# Altium PCB MCISO-P01-V06-NewMicro.PcbDoc (part 1 of 2)
Units mm, origin at the board's own origin, x right, y up, seen from the top; angles counter-clockwise.
Board outline 60 x 112.78 mm, 2 copper layers (Top Layer, Bottom Layer), stack 1.57 mm thick; 124 components, 85 nets, 520 pads, 108 vias.
Unrouted connection lines stored in the file: 6.
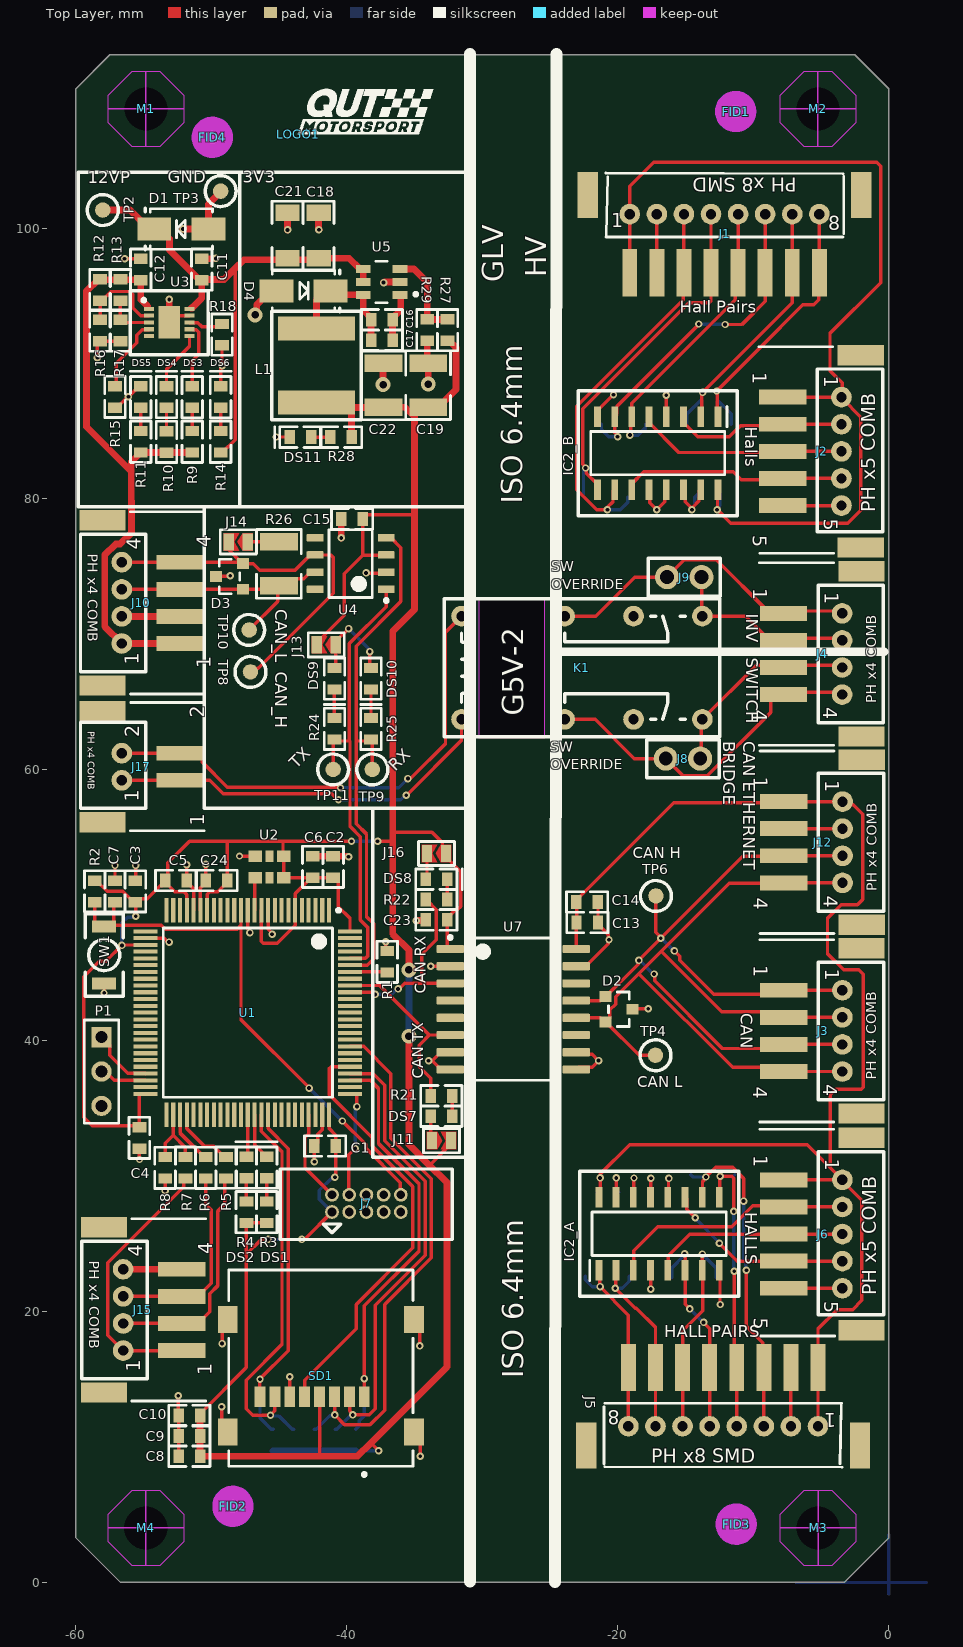
[diagram p0: Top Layer view]
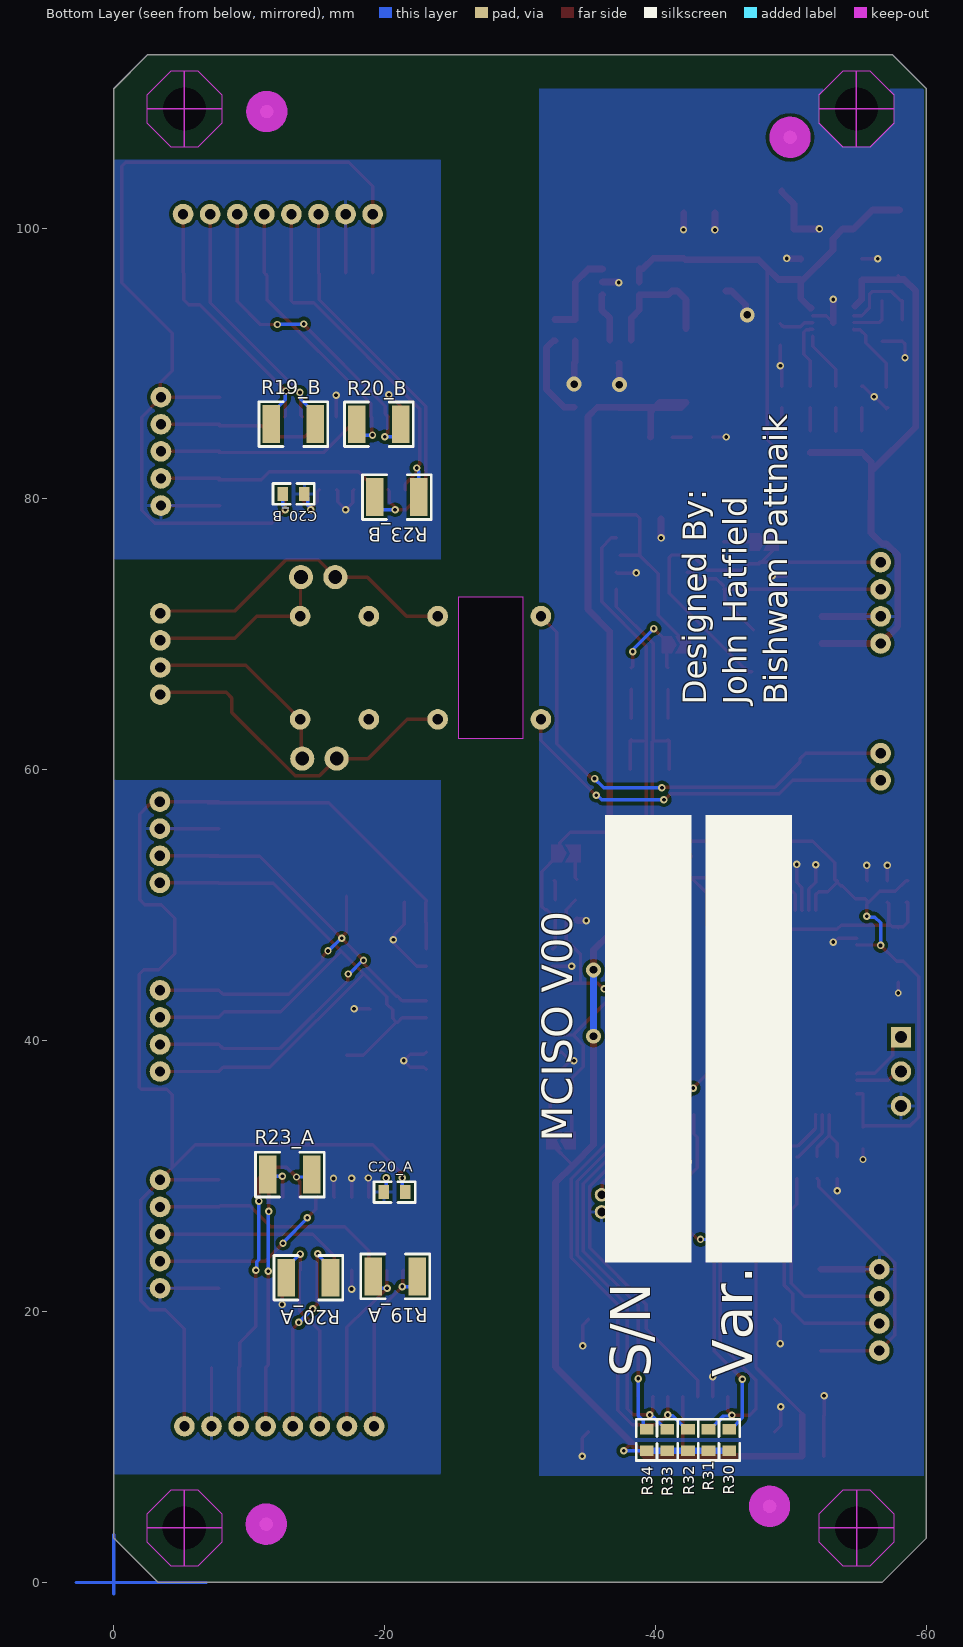
[diagram p1: Bottom Layer view, seen from below]
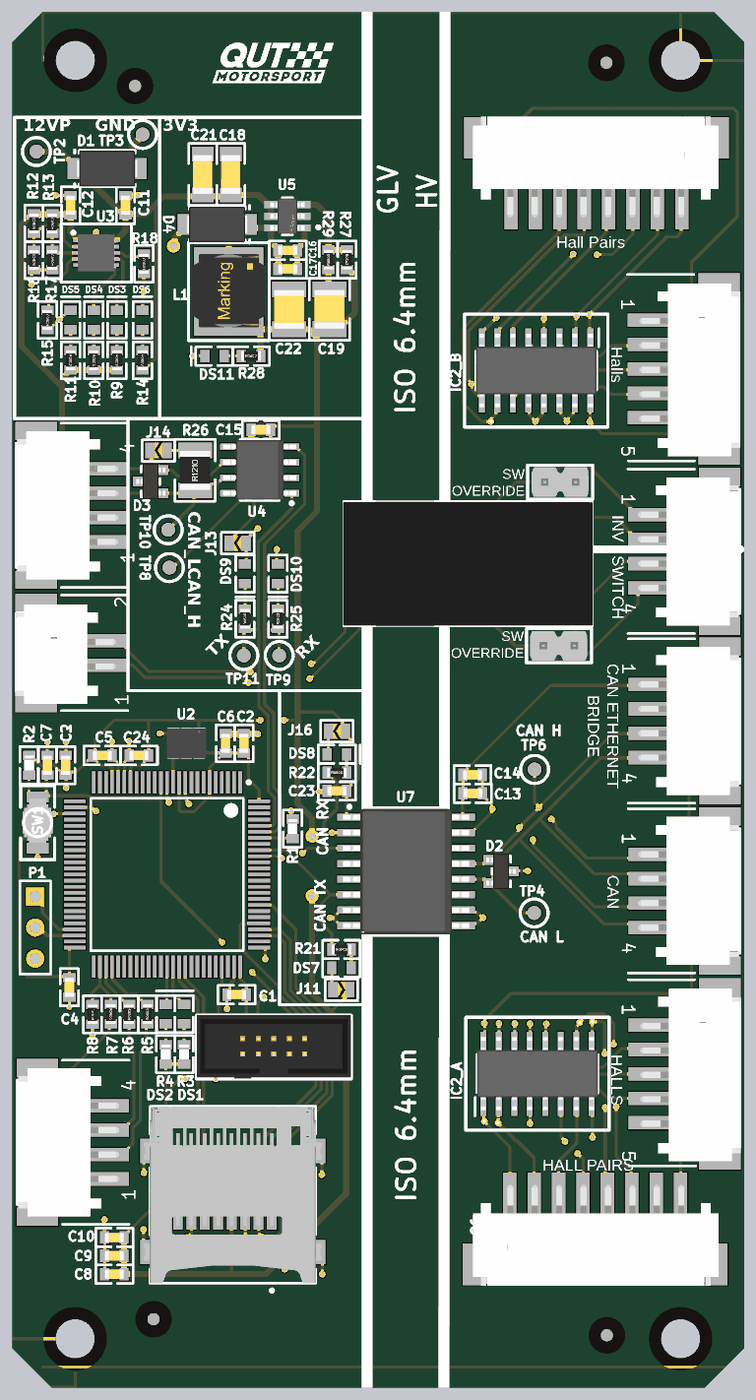
[diagram p3: 3D render of the assembled board from above, using the file's embedded part models]
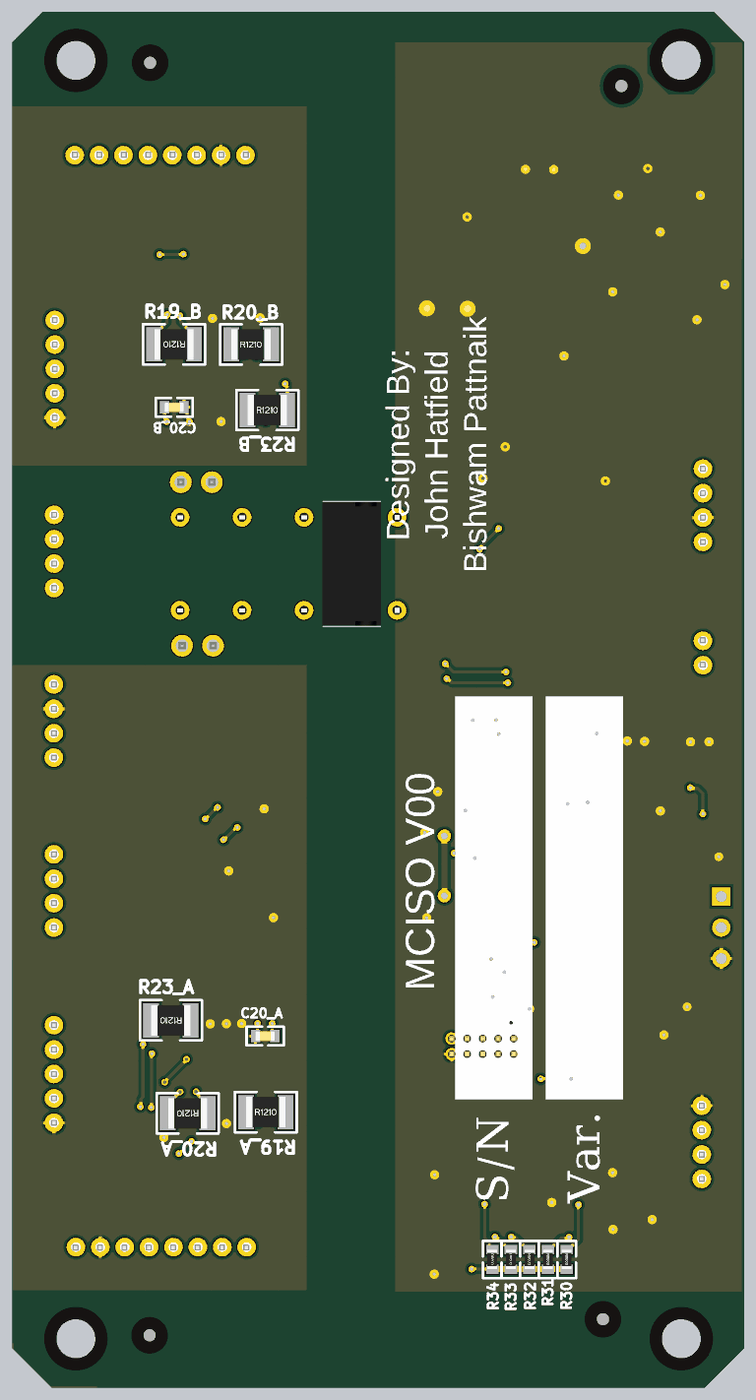
[diagram p4: 3D render of the assembled board from below, using the file's embedded part models]

## Layer stack, top to bottom
Top Solder: solder mask 0.0102, Solder Resist, Dk 3.5
Top Layer: signal copper 0.0356
Dielectric 1: core 1.4986, Core-043, Dk 4.3
Bottom Layer: signal copper 0.0356
Bottom Solder: solder mask 0.0102, Solder Resist, Dk 3.5

## Board outline
-59.993,3.287 -59.993,110.287 -57.493,112.787 -2.493,112.787 0.007,110.287 0.007,3.287 -3.276,0.004 -56.71,0.004
cut-out: -30.211,72.726 -25.411,72.726 -25.411,62.326 -30.211,62.326

## Design rules (kind name [scope] priority, off if disabled: settings)
Clearance [All] p1: gap=0.254 ignorepadtopadclearanceinfootprint=TRUE except(0: Arc-Hole Track-Hole SMDPad-Hole THPad-Hole Via-Hole Fill-Hole Poly-Hole Region-Hole Text-Hole; 0.152: SMDPad-SMDPad; 0.178: Arc-SMDPad Track-SMDPad; 0.2: Arc-Arc Arc-Track Track-Track)
MinimumSolderMaskSliver [All] p1: minsoldermaskwidth=0.1
PolygonConnect PolygonConnect_1 [All] p1: thpad.connectstyle=Relief thpad.reliefconductorwidth=0.254 thpad.reliefentries=4 thpad.polygonreliefangle="90 Angle" thpad.airgapwidth=0.254 smdpad.connectstyle=Relief smdpad.reliefconductorwidth=0.254 smdpad.reliefentries=4 smdpad.polygonreliefangle="90 Angle" smdpad.airgapwidth=0.254 via.connectstyle=Direct via.reliefconductorwidth=0.254 via.reliefentries=4 via.polygonreliefangle="90 Angle" via.airgapwidth=0.254
RoomDefinition Designator [InComponentClass('Designator')] p1 off: confinementstyle=ConfineIn formatcopy=TRUE lockcomponents=FALSE outline -43.811,-14.874 -33.411,-14.874 -33.411,-7.074 -43.811,-7.074
RoomDefinition U_MCISO-S07-V00-Master-PSU3V3-300mA [InComponentClass('U_MCISO-S07-V00-Master-PSU3V3-300mA')] p2 off: confinementstyle=ConfineIn formatcopy=TRUE lockcomponents=FALSE outline -101.811,-42.574 -51.011,-42.574 -51.011,-17.174 -101.811,-17.174
RoomDefinition U_MCISO-S05-V00-CANIsolation [InComponentClass('U_MCISO-S05-V00-CANIsolation')] p3 off: confinementstyle=ConfineIn formatcopy=TRUE lockcomponents=FALSE outline -94.011,15.426 -83.411,15.426 -83.411,22.026 -94.011,22.026
RoomDefinition U_MCISO-S04-V00-Microcontroller [InComponentClass('U_MCISO-S04-V00-Microcontroller')] p4 off: confinementstyle=ConfineIn formatcopy=TRUE lockcomponents=FALSE outline -90.611,-12.974 -82.011,-12.974 -82.011,-7.674 -90.611,-7.674
RoomDefinition U_MCISO-S03-V00-CAN_MAIN [InComponentClass('U_MCISO-S03-V00-CAN_MAIN')] p5 off: confinementstyle=ConfineIn formatcopy=TRUE lockcomponents=FALSE outline -101.311,-13.874 -91.711,-13.874 -91.711,-8.074 -101.311,-8.074
RoomDefinition U_MCISO-S02-V00-12VProtection [InComponentClass('U_MCISO-S02-V00-12VProtection')] p6 off: confinementstyle=ConfineIn formatcopy=TRUE lockcomponents=FALSE outline -51.111,-34.574 -40.811,-34.574 -40.811,-18.274 -51.111,-18.274
RoomDefinition MCISO-S01-V00-Master [InComponentClass('MCISO-S01-V00-Master')] p7 off: confinementstyle=ConfineIn formatcopy=TRUE lockcomponents=FALSE outline -76.211,-4.974 -65.611,-4.974 -65.611,-0.374 -76.211,-0.374
RoomDefinition B [InComponentClass('B')] p8 off: confinementstyle=ConfineIn formatcopy=TRUE lockcomponents=FALSE outline -89.811,-6.074 -82.111,-6.074 -82.111,-0.274 -89.811,-0.274
RoomDefinition A [InComponentClass('A')] p9 off: confinementstyle=ConfineIn formatcopy=TRUE lockcomponents=FALSE outline -101.811,-6.074 -91.511,-6.074 -91.511,0.026 -101.811,0.026
RoutingVias [All] p1: holewidth=0.35 width=0.6 viastyle="Through Hole" minholewidth=0.35 minwidth=0.6 maxholewidth=0.35 maxwidth=0.6
SilkToSilkClearance [All] p1: silktosilkclearance=0
SilkToSolderMaskClearance [IsPad] p1: minsilkscreentomaskgap=0 clearancetoexposedcopper=TRUE
SolderMaskExpansion [All] p1: expansion=0.102 istentingtop=FALSE
Width [All] p1: maxlimit=0.5 minlimit=0.254 preferedwidth=0.254
27 further rules are at their usual default settings.

## Classes and differential pairs
component class Designator: C8 C9 C10 J15 R5 R6 R7 R8 R30 R31 R32 R33 R34 SD1
component class B: C20_B IC2_B R19_B R20_B R23_B
component class A: C20_A IC2_A R19_A R20_A R23_A
channel class MCISO-S06-V00-HALL_DIFFB: "DIFF A" "DIFF B"
component class U_MCISO-S07-V00-Master-PSU3V3-300mA: C16 C17 C18 C19 C21 C22 D4 DS11 L1 R27 R28 R29 "TP 13" U5
component class U_MCISO-S03-V00-CAN_MAIN: C15 D3 DS9 DS10 J13 J14 R24 R25 R26 TP8 TP9 TP10 TP11 U4
component class U_MCISO-S02-V00-12VProtection: C11 C12 D1 DS3 DS4 DS5 DS6 R9 R10 R11 R12 R13 R14 R15 R16 R17 R18 TP2 TP3 U3
component class U_MCISO-S05-V00-CANIsolation: C13 C14 C23 D2 DS7 DS8 J11 J12 J16 R21 R22 TP4 TP6 U7
component class U_MCISO-S04-V00-Microcontroller: C1 C2 C3 C4 C5 C6 C7 C24 DS1 DS2 J7 P1 R1 R2 R3 R4 SW1 U1 U2
component class MCISO-S01-V00-Master: Connector? FID1 FID2 FID3 FID4 J1 J2 J3 J4 J5 J6 J8 J9 J10 J17 K1 LOGO1 M1 M2 M3 M4 NCM?

## Components (designator, comment, footprint, x,y, rotation, side; value= is the part's Value field where it differs from the comment)
C1 "100nF" Cap_Ceramic_0603 -41.604,32.226 r0 top
C2 "100nF" Cap_Ceramic_0603 -41.011,52.826 r270 top
C3 "100nF" Cap_Ceramic_0603 -55.611,51.026 r270 top
C4 "100nF" Cap_Ceramic_0603 -55.311,32.826 r90 top
C5 "4u7" Cap_Ceramic_0603 -52.604,51.826 r180 top
C6 "100nF 100V" Cap_Ceramic_0603 -42.511,52.826 r90 top
C7 "100nF 100V" Cap_Ceramic_0603 -57.111,51.026 r270 top
C8 "4u7" Cap_Ceramic_0603 -51.624,9.326 r0 top
C9 "1uF" Cap_Ceramic_0603 -51.624,10.826 r0 top
C10 "100nF" Cap_Ceramic_0603 -51.624,12.326 r0 top
C11 "4u7 50V 5%" Cap_Ceramic_0603 -50.711,96.926 r270 top
C12 "470nF 50V 5%" Cap_Ceramic_0603 -55.211,96.926 r270 top
C13 "100nF 50V 5% X7R 0603" Cap_Ceramic_0603 -22.245,48.725 r180 top
C14 "4u7" Cap_Ceramic_0603 -22.262,50.242 r180 top
C15 "100nF 100V" Cap_Ceramic_0603 -39.611,78.526 r180 top
C16 "100nF 50V" Cap_Ceramic_0603 -37.412,93.222 r180 top
C17 "100nF 50V" Cap_Ceramic_0603 -37.412,91.711 r180 top
C18 "22uF 35V" Cap_Ceramic_1206 -42.079,99.444 r90 top
C19 "47uF 16V 1210" Cap_Ceramic_1210 -33.988,88.399 r270 top
C20_A "0.1u" Cap_Ceramic_0603 -20.725,28.826 r180 bottom (schematic designator C20)
C20_B "0.1u" Cap_Ceramic_0603 -13.272,80.368 r0 bottom (schematic designator C20)
C21 "22uF 35V" Cap_Ceramic_1206 -44.379,99.444 r90 top
C22 "47uF 16V 1210" Cap_Ceramic_1210 -37.303,88.384 r270 top
C23 "100nF 50V 5% X7R 0603" Cap_Ceramic_0603 -33.38,48.923 r0 top
C24 "100nF" Cap_Ceramic_0603 -49.611,51.826 r0 top
D1 "1N4448WQ-7-F" SMA -52.211,99.926 r180 top
D2 "NUP2105L" NUP2105L -19.911,42.326 r270 top
D3 "NUP2105L" NUP2105L -48.661,74.276 r90 top
D4 "B260A-13-F" SMA -43.199,95.358 r0 top
DS1 "LED Orange" "LED ORANGE 0603" -45.911,30.633 r90 top
DS2 "LED Orange" "LED ORANGE 0603" -47.411,30.633 r90 top
DS3 "LED Red 0603" "LED RED 0603" -51.411,87.513 r90 top
DS4 "LED Red 0603" "LED RED 0603" -53.311,87.52 r90 top
DS5 "LED Green 0603" "LED GREEN 0603" -55.211,87.52 r90 top
DS6 "LED Green 0603" "LED GREEN 0603" -49.311,87.52 r90 top
DS7 "LED Blue 0603" "LED BLUE 0603" -33.011,34.426 r0 top
DS8 "LED Blue 0603" "LED BLUE 0603" -33.38,51.923 r0 top
DS9 "LED Blue 0603" "LED BLUE 0603" -40.911,66.726 r270 top
DS10 "LED Blue 0603" "LED BLUE 0603" -38.211,66.726 r270 top
DS11 "LED Green 0603" "LED GREEN 0603" -43.418,84.562 r180 top
FID1 "Fiducial 1MM" "FIDUCIAL 1MM" -11.294,108.599 r90 top
FID2 "Fiducial 1MM" "FIDUCIAL 1MM" -48.411,5.626 r90 top
FID3 "Fiducial 1MM" "FIDUCIAL 1MM" -11.253,4.308 r0 top
FID4 "Fiducial 1MM" "FIDUCIAL 1MM" -49.927,106.696 r90 top
IC2_A "AM26LS32ACDR" 16PinHallFootprint -16.915,25.749 r90 top (schematic designator IC2)
IC2_B "AM26LS32ACDR" 16PinHallFootprint -17.075,83.373 r270 top (schematic designator IC2)
J1 "JST PH 8x Right comb" "JST PH 8x RIGHT SMD" -14.111,103.936 r0 top
J2 "JST PH 5x RIGHT COMB" "JST PH 5x RIGHT COMB" -0.557,84.511 r270 top
J3 "JST PH 4x RIGHT COMB" "JST PH 4x RIGHT COMB" -0.49,40.726 r270 top
J4 "JST PH 4x RIGHT COMB" "JST PH 4x RIGHT COMB" -0.508,68.554 r270 top
J5 "JST PH 8x Right comb" "JST PH 8x RIGHT SMD" -10.211,8.626 r180 top
J6 "JST PH 5x RIGHT COMB" "JST PH 5x RIGHT COMB" -0.49,26.726 r270 top
J7 "IDC 10P 2x5 1.27mm" "IDC 1.27MM 10P" -38.551,27.991 r0 top
J8 "Jumper 2Way Pins" Jumper_2Way_Pin -13.911,60.826 r0 top
J9 "Jumper 2Way Pins" Jumper_2Way_Pin -16.351,74.226 r180 top
J10 "JST PH 4x RIGHT COMB" "JST PH 4x RIGHT COMB" -59.532,72.326 r90 top
J11 "Jumper 2Way Solderable" Jumper_2Way_Solderable -33.708,32.626 r270 top
J12 "JST PH 4x RIGHT COMB" "JST PH 4x RIGHT COMB" -0.48,54.653 r270 top
J13 "Jumper 2Way Solderable" Jumper_2Way_Solderable -40.814,69.226 r90 top
J14 "Jumper 2Way Solderable" Jumper_2Way_Solderable -47.311,76.826 r90 top
J15 "JST PH 4x RIGHT COMB" "JST PH 4x RIGHT COMB" -59.432,20.126 r90 top
J16 "Jumper 2Way Solderable" Jumper_2Way_Solderable -32.68,53.823 r90 top
J17 "JST PH 2x RIGHT COMB" "JST PH 2x RIGHT COMB" -59.532,62.226 r90 top
K1 "G5V-2-DC12" G5V-2 -22.641,67.536 r0 top
L1 "74404064221" Inductor_6x6mm -42.244,89.91 r270 top
LOGO1 "50mm Wide QUTMS Logo" "QUTMS LOGO 10MM" -43.589,106.929 r0 top
M1 "Hole M3 Tight Unplated" "M3.2 UNPLATED" -54.824,108.791 r0 top
M2 "Hole M3 Tight Unplated" "M3.2 UNPLATED" -5.216,108.791 r0 top
M3 "Hole M3 Tight Unplated" "M3.2 UNPLATED" -5.209,4.027 r0 top
M4 "Hole M3 Tight Unplated" "M3.2 UNPLATED" -54.834,4.027 r0 top
P1 "Header 3" HDR1X3 -58.111,40.266 r270 top
R1 "10k 1% 0603" Res_ThinFilm_0603 -37.011,45.826 r90 top
R2 "4k7" Res_ThinFilm_0603 -58.611,51.026 r90 top
R3 "330R" Res_ThinFilm_0603 -45.911,27.338 r270 top
R4 "330R" Res_ThinFilm_0603 -47.411,27.338 r270 top
R5 "22R" Res_ThinFilm_0603 -48.911,30.626 r90 top
R6 "22R" Res_ThinFilm_0603 -50.411,30.62 r90 top
R7 "10k 5% 0603" Res_ThinFilm_0603 -51.911,30.626 r270 top
R8 "15k 5% 0603" Res_ThinFilm_0603 -53.411,30.62 r90 top
R9 "4k7 5% 0603" Res_ThinFilm_0603 -51.411,84.22 r270 top
R10 "4k7 5% 0603" Res_ThinFilm_0603 -53.311,84.213 r270 top
R11 "4k7 5% 0603" Res_ThinFilm_0603 -55.211,84.22 r270 top
R12 "2M2 1%" Res_ThinFilm_0603 -58.211,95.42 r90 top
R13 "2M2 1%" Res_ThinFilm_0603 -56.711,95.42 r90 top
R14 "4k7 5% 0603" Res_ThinFilm_0603 -49.311,84.22 r270 top
R15 "150k 5% 0603" Res_ThinFilm_0603 -57.111,87.526 r90 top
R16 "390k 5%" Res_ThinFilm_0603 -58.211,92.433 r90 top
R17 "240k 5%" Res_ThinFilm_0603 -56.711,92.433 r90 top
R18 "1k 5% 0603" Res_ThinFilm_0603 -49.211,92.126 r90 top
R19_A "120R 1% 1210" Res_ThinFilm_1210 -20.776,22.599 r180 bottom (schematic designator R19)
R19_B "120R 1% 1210" Res_ThinFilm_1210 -13.256,85.522 r0 bottom (schematic designator R19)
R20_A "120R 1% 1210" Res_ThinFilm_1210 -14.367,22.499 r0 bottom (schematic designator R20)
R20_B "120R 1% 1210" Res_ThinFilm_1210 -19.571,85.513 r180 bottom (schematic designator R20)
R21 "330R" Res_ThinFilm_0603 -33.011,35.926 r0 top
R22 "330R" Res_ThinFilm_0603 -33.38,50.423 r0 top
R23_A "120R 1% 1210" Res_ThinFilm_1210 -12.991,30.119 r0 bottom (schematic designator R23)
R23_B "120R 1% 1210" Res_ThinFilm_1210 -20.898,80.136 r180 bottom (schematic designator R23)
R24 "330R" Res_ThinFilm_0603 -40.911,63.026 r90 top
R25 "330R" Res_ThinFilm_0603 -38.211,63.026 r90 top
R26 "120R 1% 1210" Res_ThinFilm_1210 -45.011,75.201 r90 top
R27 "64k9 1%" Res_ThinFilm_0603 -32.566,92.462 r270 top
R28 "1k" Res_ThinFilm_0603 -40.418,84.562 r0 top
R29 "19k6 1%" Res_ThinFilm_0603 -34.066,92.462 r90 top
R30 "10k 5% 0603" Res_ThinFilm_0603 -45.441,10.524 r270 bottom
R31 "10k 5% 0603" Res_ThinFilm_0603 -43.906,10.524 r270 bottom
R32 "10k 5% 0603" Res_ThinFilm_0603 -42.388,10.524 r270 bottom
R33 "10k 5% 0603" Res_ThinFilm_0603 -40.862,10.524 r270 bottom
R34 "10k 5% 0603" Res_ThinFilm_0603 -39.337,10.524 r270 bottom
SD1 "47219-2001" MOLX-47219-2001-8_V -41.916,15.276 r180 top
SW1 "B3U-1000P" "BTN B3U-1000P" -57.911,46.326 r90 top
TP2 "TestPoint" TestPointSMD -58.011,101.326 r90 top
TP3 "TestPoint" TestPointSMD -49.311,102.726 r0 top
TP4 "TestPoint_SMD" TestPointSMD -17.211,38.926 r270 top
TP6 "TestPoint_SMD" TestPointSMD -17.175,50.686 r0 top
TP8 "TestPoint_SMD" TestPointSMD -47.111,67.226 r180 top
TP9 "TestPoint_SMD" TestPointSMD -38.111,60.026 r0 top
TP10 "TestPoint_SMD" TestPointSMD -47.211,70.326 r180 top
TP11 "TestPoint_SMD" TestPointSMD -41.011,60.026 r90 top
U1 "STM32F207VGT7" STM-LQFP100_N -47.311,42.076 r270 top
U2 "DSC1101CI5-020.0000T" VDFN6_3P2X2P5_MCH -45.711,52.826 r270 top
U3 "MAX17612A" MAX17612A -53.111,93.026 r0 top
U4 "SN65HVD232D" D0008A_L -39.711,75.226 r180 top
U5 "LMR14010ADDCR" FP-DDC0006A-MFG -37.435,96.017 r180 top
U7 "ISO1050DWR" DW00016B_V -27.711,42.326 r0 top

## Footprints (in the part's own frame and the unit in brackets; to place one, negate y for a bottom-side part, rotate by r counter-clockwise, add the part's x,y. Pads: shape width x height; smd on the part's side, far side on the other; paste and mask are expansions set on the pad)
16PinHallFootprint [mm]
  rect 1.5x0.5 smd: 1(-2.7,4.47) 2(-2.7,3.2) 3(-2.7,1.93) 4(-2.7,0.66) 5(-2.7,-0.61) 6(-2.7,-1.88) 7(-2.7,-3.15) 8(-2.7,-4.42) 9(2.7,-4.42) 10(2.7,-3.15) 11(2.7,-1.88) 12(2.7,-0.61) 13(2.7,0.66) 14(2.7,1.93) 15(2.7,3.2) 16(2.7,4.47)
  silkscreen extent -4.62,-5.85 4.62,5.9, body extent -3,-4.92 3,4.98, height 1.75
"BTN B3U-1000P" [mil] "OMRON B3U-1000P"
  rect 35x70 smd: 1(-82.68,0) 2(82.68,0)
  silkscreen extent -120,-55 120,55, body extent -79,-49 79,49
Cap_Ceramic_0603 [mil]
  rect 30x40 smd: 1(-31.24,0) 2(31.24,0)
  silkscreen extent -60,-30 60,30, body extent -31,-16 31,16, height 33
Cap_Ceramic_1206 [mil]
  rect 47x71 smd: 1(-66.08,0) 2(66.08,0)
  silkscreen extent -100,-45 100,45, body extent -63,-31 63,32, height 53
Cap_Ceramic_1210 [mm]
  rect 1.3x2.8 smd: 1(-1.625,0) 2(1.625,0)
  silkscreen extent -2.54,-1.65 2.54,1.65, body extent -1.6,-1.25 1.6,1.25, height 1.35
D0008A_L [mm] "SOIC, 8-Leads, Body 5x4mm, Pitch 1.27mm, IPC High Density"
  rrect18% 1.25x0.55 smd: 1(-2.625,1.905) 2(-2.625,0.635) 3(-2.625,-0.635) 4(-2.625,-1.905) 5(2.625,-1.905) 6(2.625,-0.635) 7(2.625,0.635) 8(2.625,1.905)
  silkscreen extent -2.75,-2.5 1.6,2.85, body extent -3,-2.45 3,2.45, height 1.63
DW00016B_V [mm] "SOIC, 16-Leads, Body 10.3x7.5mm, Pitch 1.27mm"
  rrect17% 2x0.6 smd: 1(-4.65,4.445) 2(-4.65,3.175) 3(-4.65,1.905) 4(-4.65,0.635) 5(-4.65,-0.635) 6(-4.65,-1.905) 7(-4.65,-3.175) 8(-4.65,-4.445) 9(4.65,-4.445) 10(4.65,-3.175) 11(4.65,-1.905) 12(4.65,-0.635) 13(4.65,0.635) 14(4.65,1.905) 15(4.65,3.175) 16(4.65,4.445)
  silkscreen extent -4.77,-5.25 3.25,5.42, body extent -5.17,-5.15 5.17,5.15, height 2.59
"FIDUCIAL 1MM" [mm]
  round 1 smd mask+1: 1(0,0)
  round 1 smd far side mask+1: 1(0,0)
  Keep-Out Layer circle w1.524: c0,0 r0.762
FP-DDC0006A-MFG [mm]
  rect 1.1x0.6 smd paste+0 mask+0: 1(-1.35,0.95) 2(-1.35,0) 3(-1.35,-0.95) 4(1.35,-0.95) 5(1.35,0) 6(1.35,0.95)
  silkscreen extent -2.65,-1.53 0.43,1.53, body extent -2,-1.63 2,1.63, height 0.25
G5V-2 [mil]
  round 60 hole 30: 1(-350,150) 4(-50,150) 6(150,150) 8(350,150) 9(350,-150) 11(150,-150) 13(-50,-150) 16(-350,-150)
  silkscreen extent -400,-200 400,200, body extent -404,-199 404,199, height 453
HDR1X3 [mm] "Connector; Header; 3 Position"
  rect 1.5x1.5 hole 0.9: 1(0,0)
  round 1.5 hole 0.9: 2(2.54,0) 3(5.08,0)
  silkscreen extent -1.27,-1.27 6.35,1.27
"IDC 1.27MM 10P" [mil]
  round 40 hole 25: 1(-100,-25) 2(-100,25) 3(-50,-25) 4(-50,25) 5(0,-25) 6(0,25) 7(50,-25) 8(50,25) 9(100,-25) 10(100,25)
  silkscreen extent -250,-105 250,100, body extent -249,-104 249,100, height 214
Inductor_6x6mm [mm]
  rect 1.8x5.7 smd: 1(-2.667,0) 2(2.794,0)
  silkscreen extent -3.94,-3.3 4.06,3.3, body extent -3,-3 3,3, height 4.56
"JST PH 2x RIGHT COMB" [mm]
  round 1.524 hole 0.762: 1(-3,-2.921) 2(-1,-2.921)
  rect 1.1x3.5 smd: 1(-3,-7.25) 2(-1,-7.25)
  rect 1.5x3.4 smd: M(-6.1,-1.5) M(2.1,-1.5)
  silkscreen extent -6.73,-9.04 2.75,0.13, body extent -6.17,-8.03 1.97,0.23, height 5.89
"JST PH 4x RIGHT COMB" [mm]
  round 1.524 hole 0.762: 1(-3,-2.921) 2(-1,-2.921) 3(1,-2.921) 4(3,-2.921)
  rect 1.1x3.5 smd: 1(-3,-7.25) 2(-1,-7.25) 3(1,-7.25) 4(3,-7.25)
  rect 1.5x3.4 smd: M(-6.1,-1.5) M(6.1,-1.5)
  silkscreen extent -6.73,-9.02 6.73,0.13, body extent -6.07,-8.2 6.07,0.06, height 5.89
"JST PH 5x RIGHT COMB" [mm]
  round 1.524 hole 0.762: 1(-3,-2.921) 2(-1,-2.921) 3(1,-2.921) 4(3,-2.921) 5(5,-2.921)
  rect 1.1x3.5 smd: 1(-3,-7.25) 2(-1,-7.25) 3(1,-7.25) 4(3,-7.25) 5(5,-7.25)
  rect 1.5x3.4 smd: M(-6.1,-1.5) M(8.1,-1.5)
  silkscreen extent -6.73,-9.02 8.53,0.13, body extent -6,-8.03 8.15,0.23, height 5.89
"JST PH 8x RIGHT SMD" [mm]
  rect 1.1x3.5 smd: 1(-5,-7.25) 2(-3,-7.25) 3(-1,-7.25) 4(1,-7.25) 5(3,-7.25) 6(5,-7.25) 7(7,-7.25) 8(9,-7.25)
  round 1.524 hole 0.762: 1(-5,-2.91) 2(-3,-2.91) 3(-1,-2.91) 4(1,-2.91) 5(3,-2.91) 6(5,-2.91) 7(7,-2.91) 8(9,-2.91)
  rect 1.5x3.4 smd: M(-8.1,-1.5) M(12.1,-1.5)
  silkscreen extent -6.78,-4.6 10.8,0.13, body extent -8.12,-8 12.03,0.25, height 5.89
Jumper_2Way_Pin [mil]
  round 70 hole 40: 1(-100,0) 2(0,0)
  silkscreen extent -155,-55 55,55, body extent -142,-48 42,47, height 332
Jumper_2Way_Solderable [mil]
  rect 50x30 smd: 1(0,55) 2(0,0)
  Top Layer region: -25,25 0,40 25,25 25,70 -25,70
  Top Layer region: -25,15 0,30 25,15 25,-15 0,-15 -25,-15
  silkscreen extent -35,-25 35,80
"LED BLUE 0603" [mil]
  rect 30x40 smd: 1(-31.24,0) 2(31.24,0)
  silkscreen extent -60,-30 75,30, body extent -40,-20 40,20, height 30
"LED GREEN 0603" [mil]
  rect 30x40 smd: 1(-31.24,0) 2(31.24,0)
  silkscreen extent -60,-30 75,30, body extent -40,-20 40,20, height 30
"LED ORANGE 0603" [mil]
  rect 30x40 smd: 1(-31.24,0) 2(31.24,0)
  silkscreen extent -60,-30 75,30, body extent -40,-20 40,20, height 30
"LED RED 0603" [mil]
  rect 30x40 smd: 1(-31.24,0) 2(31.24,0)
  silkscreen extent -60,-30 75,30, body extent -40,-20 40,20, height 30
"M3.2 UNPLATED" [mm]
  round 0 hole 3.2 unplated mask+2.6: 1(0,0)
  Keep-Out Layer pour cut-out: -2.794,0 -2.794,1.016 -1.016,2.794 0,2.794 0,0
  Keep-Out Layer pour cut-out: 0,2.794 1.016,2.794 2.794,1.016 2.794,0 0,0
  Keep-Out Layer pour cut-out: 2.794,0 2.794,-1.016 1.016,-2.794 0,-2.794 0,0
  Keep-Out Layer pour cut-out: 0,-2.794 -1.016,-2.794 -2.794,-1.016 -2.794,0 0,0
MAX17612A [mm]
  rect 0.75x0.3 smd: 1(-1.5,1) 2(-1.5,0.5) 3(-1.5,0) 4(-1.5,-0.5) 5(-1.5,-1) 6(1.5,-1) 7(1.5,-0.5) 8(1.5,0) 9(1.5,0.5) 10(1.5,1)
  rect 1.6x2.4 smd: 11(0,0)
  silkscreen extent -2.87,-2.4 2.87,2.35, body extent -1.55,-1.5 1.55,1.5, height 0.8
MOLX-47219-2001-8_V [mm] "CONN, 8-Leads, Body 14.5x13.6mm, Pitch 1.1mm"
  rect 0.8x1.5 smd: 1(-3.205,1.55) 2(-2.105,1.55) 3(-1.005,1.55) 4(0.095,1.55) 5(1.195,1.55) 6(2.295,1.55) 7(3.395,1.55) 8(4.495,1.55)
  rect 1.45x2 smd: 9(6.875,4.15) 10(6.875,-4.15) 11(-6.875,-4.15) 12(-6.875,4.15)
  silkscreen extent -6.8,-7.8 6.8,7.42, body extent -7.3,-7.79 7.3,6.71, height 1.91
NUP2105L [mm]
  rect 0.8x0.9 smd: 1(-0.95,-1) 2(0.95,-1) 3(0,1)
  silkscreen extent -1.27,-0.76 1.27,0.76, body extent -1.45,-1.22 1.45,1.18, height 1
"QUTMS LOGO 10MM" [mm]
  silkscreen extent 0,0 9.96,3.34
Res_ThinFilm_0603 [mil]
  rect 30x40 smd: 1(-31.24,0) 2(31.24,0)
  silkscreen extent -60,-30 60,30, body extent -31,-16 31,16
Res_ThinFilm_1210 [mm]
  rect 1.3x2.8 smd: 1(-1.625,0) 2(1.625,0)
  silkscreen extent -2.54,-1.65 2.54,1.65, body extent -1.6,-1.25 1.6,1.25, height 0.6
SMA [mm]
  rect 2.5x1.7 smd: A(-2,0) K(2,0)
  silkscreen extent -2.3,-1.52 2.67,1.52, body extent -2.52,-1.46 2.52,1.46, height 2.4
STM-LQFP100_N [mm] "Thin QFP, 100-Leads, Body 14x14mm, Pitch 0.5mm, IPC Medium Density"
  rect 1.8x0.3 smd: 1(-7.55,6) 2(-7.55,5.5) 3(-7.55,5) 4(-7.55,4.5) 5(-7.55,4) 6(-7.55,3.5) 7(-7.55,3) 8(-7.55,2.5) 9(-7.55,2) 10(-7.55,1.5) 11(-7.55,1) 12(-7.55,0.5) 13(-7.55,0) 14(-7.55,-0.5) 15(-7.55,-1) 16(-7.55,-1.5) 17(-7.55,-2) 18(-7.55,-2.5) 19(-7.55,-3) 20(-7.55,-3.5) 21(-7.55,-4) 22(-7.55,-4.5) 23(-7.55,-5) 24(-7.55,-5.5) 25(-7.55,-6) 51(7.55,-6) 52(7.55,-5.5) 53(7.55,-5) 54(7.55,-4.5) 55(7.55,-4) 56(7.55,-3.5) 57(7.55,-3) 58(7.55,-2.5) 59(7.55,-2) 60(7.55,-1.5) 61(7.55,-1) 62(7.55,-0.5) 63(7.55,0) 64(7.55,0.5) 65(7.55,1) 66(7.55,1.5) 67(7.55,2) 68(7.55,2.5) 69(7.55,3) 70(7.55,3.5) 71(7.55,4) 72(7.55,4.5) 73(7.55,5) 74(7.55,5.5) 75(7.55,6)
  rect 0.3x1.8 smd: 26(-6,-7.55) 27(-5.5,-7.55) 28(-5,-7.55) 29(-4.5,-7.55) 30(-4,-7.55) 31(-3.5,-7.55) 32(-3,-7.55) 33(-2.5,-7.55) 34(-2,-7.55) 35(-1.5,-7.55) 36(-1,-7.55) 37(-0.5,-7.55) 38(0,-7.55) 39(0.5,-7.55) 40(1,-7.55) 41(1.5,-7.55) 42(2,-7.55) 43(2.5,-7.55) 44(3,-7.55) 45(3.5,-7.55) 46(4,-7.55) 47(4.5,-7.55) 48(5,-7.55) 49(5.5,-7.55) 50(6,-7.55) 76(6,7.55) 77(5.5,7.55) 78(5,7.55) 79(4.5,7.55) 80(4,7.55) 81(3.5,7.55) 82(3,7.55) 83(2.5,7.55) 84(2,7.55) 85(1.5,7.55) 86(1,7.55) 87(0.5,7.55) 88(0,7.55) 89(-0.5,7.55) 90(-1,7.55) 91(-1.5,7.55) 92(-2,7.55) 93(-2.5,7.55) 94(-3,7.55) 95(-3.5,7.55) 96(-4,7.55) 97(-4.5,7.55) 98(-5,7.55) 99(-5.5,7.55) 100(-6,7.55)
  silkscreen extent -7.67,-6.25 6.25,6.83, body extent -7,-7 7,7, height 1.6
TestPointSMD [mil]
  round 45 smd: 1(0,0)
  silkscreen extent -45,-45 45,45
VDFN6_3P2X2P5_MCH [mm]
  rect 0.85x1 smd paste-0.425 mask+0: 1(-0.8,1.05) 3(-0.8,-1.05) 4(0.8,-1.05) 6(0.8,1.05)
  rect 0.85x0.6 smd paste+0 mask+0: 2(-0.8,0) 5(0.8,0)
  body extent -1.25,-1.6 1.25,1.6, height 0.65

## Part data
C1 C2 C3 C4 C10 C16 C17 C24: library part "100nF 50V 5% X7R 0603", "Capacitor, Ceramic, SMD, 100nF, 50V, 5%, X7R, 0603"
C5 C8 C11 C14 C20_A C20_B: library part "4u7 50V 5% X7R 0603", "Capacitor, Ceramic, SMD, 4u7, 50V, 5%, X7R, 0603"
C6 C7 C15: library part "100nF 100V 5% X7R 0603", "Capacitor, Ceramic, SMD, 100nF, 100V, 5%, X7R, 0603"
C9: library part "1uF 25V 5% X7R 0603", "Capacitor, Ceramic, SMD, 1uF, 25V, 5%, X7R, 0603"
C12: library part "470nF 50V 5% X7R 0603", "Capacitor, Ceramic, SMD, 470nF, 50V, 5%, X7R, 0603"
C13 C23: "Capacitor, Ceramic, SMD, 100nF, 50V, 5%, X7R, 0603"
C18 C21: library part "22uF 35V 20% X5R 1206", "22µF ±20% 35V Ceramic Capacitor X5R 1206 (3216 Metric)", ComponentLink1Description=Digikey, ComponentLink1URL=https://www.digikey.com.au/product-detail/en/tdk-corporation/C3216X5R1V226M160AC/445-8045-1-ND/2792165, ComponentLink2Description=Datasheet, ComponentLink2URL=https://product.tdk.com/info/en/catalog/datasheets/mlcc_commercial_general_en.pdf
C19 C22: library part "47uF 16V 10% X7R 1210", "Capacitor, Ceramic, SMD, 47uF, 16V, 5%, X7R, 1210"
D1: "Diode, SMD, 75V, 5%, 250mA, SOD123", Average Rectified Current=150mA, Forward Voltage=1V, Manufacturer="ON Semiconductor / Fairchild", Manufacturer Part Number=1N914BWS, Max Forward Surge Current (Ifsm)=4A, Max Operating Temperature=150°C, Max Repetitive Reverse Voltage (Vrrm)=75V, Max Reverse Leakage Current=5uA, Min Operating Temperature=-55°C, Package Quantity=1, Power Dissipation=200mW, Category="Rectifier Diodes", Contact Plating=Tin,Matte, Element Configuration=Single, Forward Current=150mA, Height=1mm, Lead Free="Lead Free", Length=1.8mm, Max Reverse Voltage (DC)=75V, Mount="Surface Mount", Number of Pins=2, Packaging="Tape and Reel", Peak Reverse Current=5uA, Radiation Hardening=No, REACH SVHC="No SVHC", Recovery Time=4ns, Reverse Recovery Time=4ns, Reverse Voltage=75V, Weight=0.0276g, Width=1.35mm
D4: "Diode, Schottky Barrier Rectifier, 60 V, 2 A, B260A-13-F"
DS1 DS2: library part "LED ORANGE 0603"
DS7 DS8 DS9 DS10: library part "LED BLUE 0603"
IC2_A IC2_B: "Integrated Circuit", Manufacturer_Name="Texas Instruments", Mouser Part Number=595-AM26LS32ACDR, Arrow Part Number=AM26LS32ACDR, Arrow Price/Stock=https://www.arrow.com/en/products/am26ls32acdr/texas-instruments, Datasheet Link=http://www.ti.com/lit/gpn/am26ls32ac, Height=1.75mm, Manufacturer_Part_Number=AM26LS32ACDR, Mouser Price/Stock=https://www.mouser.co.uk/ProductDetail/Texas-Instruments/AM26LS32ACDR/?qs=L4Mc90zKIpjEhSPPcfdoEw%3D%3D
J4: library part "JST PH 4x RIGHT COMB_1"
J8 J9: library part "Jumper 2Way Side Pins", "Jumper 2Way Side Pins"
J11 J13 J14 J16: library part "Jumper 2Way Side Solderable", "Jumper 2Way Side Solderable"
J12: "CAN Ethernet Bridge Port"
K1: "General Purpose Relay DPDT (2 Form C) Through Hole, 12V, 2A"
L1: "FIXED IND 220UH 660MA 850 MOHM", ComponentLink1Description=Digikey, ComponentLink1URL=https://www.digikey.com.au/product-detail/en/w%C3%BCrth-elektronik/74404064221/732-7261-1-ND/5353241, ComponentLink2Description="LCSC A", ComponentLink2URL=https://lcsc.com/product-detail/Power-Inductors_Sunlord-SWPA6045S221MT_C91047.html, ComponentLink3Description="LCSC B", ComponentLink3URL=https://lcsc.com/product-detail/Power-Inductors_SXN-Shun-Xiang-Nuo-Elec-SMNR6045-221MT_C467145.html
LOGO1: library part "QUTMS Logo 50mm"
M1 M2 M3 M4: "M3.2 Hole, No Plating"
P1: "Header, 3-Pin", LatestRevisionDate=17-Jul-2002, LatestRevisionNote="Re-released for DXP Platform.", Publisher="Altium Limited"
R1: library part "20k 1% 0603", "Resistor, SMD, 20k, 0.1W, 5%, 0603"
R2: library part "4k7 5% 0603", "Resistor, SMD, 4k7, 0.1W, 5%, 0603"
R3 R4 R21 R22 R24 R25: library part "330R 5% 0603", "Resistor, SMD, 330R, 0.1W, 5%, 0603"
R5 R6: library part "22R 1% 0603", "Resistor, SMD, 22R, 0.1W, 1%, 0603"
R7 R30 R31 R32 R33 R34: "Resistor, SMD, 10k, 0.1W, 5%, 0603"
R8: "Resistor, SMD, 15k, 0.1W, 5%, 0603"
R9 R10 R11 R14: "Resistor, SMD, 4k7, 0.1W, 5%, 0603"
R12 R13: library part "2M2 1% 0603", "Resistor, SMD, 2M2, 0.125W, 1%, 0603"
R15: library part "150k 5%, 0603", "Resistor, SMD, 150k, 0.1W, 5%, 0603"
R16: library part "390k 5% 0603", "Resistor, SMD, 390k, 0.1W, 5%, 0603"
R17: library part "240k 5% 0603", "Resistor, SMD, 240k, 0.1W, 5%, 0603"
R18: "Resistor, SMD, 1k, 0.1W, 5%, 0603"
R19_A R19_B R20_A R20_B R23_A R23_B R26: "Resistor, SMD, 120R, 0.25W, 1%, 1210"
R27: library part "64k9 1% 0603", "Resistor, SMD, 64k9, 0.1W, 5%, 0603"
R28: library part "1k 5% 0603", "Resistor, SMD, 1k, 0.1W, 5%, 0603"
R29: library part "19k6 1% 0603", "Resistor, SMD, 19k6, 0.1W, 5%, 0603"
SD1: library part CMP-2000-05245-1, "MicroSD Card Connector, Hinge Type, -40 to 85 degC, 8-Pin SMD, RoHS, Tape and Reel", Current Rating=500mA, Manufacturer=Molex, Voltage Rating=100VDC, Brand=Molex, Card Type=microSD, Contact Material=CopperAlloy, Datasheet URL=http://www.molex.com/pdm_docs/sd/472192001_sd.pdf, Datasheet Version="Rev. F, 06/2009", Factory Pack Quantity=2400, Housing Material=Thermoplastic, Insertion - Extraction Style=Hinged, Manufacturer URL=http://www.molex.com/, Mounting Style=SMD/SMT, Number of Contacts=8, Packaging=Reel, Pitch=1.09mm, Product=CardConnectors, Product Category=MemoryCardConnectors, RoHS=Details, Series=47219, Termination Style=SMD
SW1: library part "BTN B3U-1000P", "Omron B3U-1000P Ultra Miniture Switch", ComponentLink1Description=LCSC, ComponentLink1URL=https://lcsc.com/product-detail/Tactile-Switches_BRIGHT-TSA063G50-250_C294565.html
U1: library part STM32F207VGT7-Custom, "ARM Cortex-M3 32-bit MCU, 1024 KB Flash, 128 KB Internal RAM, 82 I/Os, 100-pin LQFP, -40 to 105 degC, Tray", I/Os (High Current)=82, Operating Frequency(F) (Processor speed) (MHz)=120, Supply Voltage(Vcc) min (V)=1.8, ComponentLink1Description="Manufacturer URL", ComponentLink1URL=http://www.st.com/web/en/home.html, ComponentLink2Description=Datasheet, ComponentLink2URL=http://www.st.com/st-web-ui/static/active/en/resource/technical/document/datasheet/CD00237391.pdf, ComponentLink3Description="Package Specification", ComponentLink3URL=http://www.st.com/st-web-ui/static/active/en/resource/technical/document/data_brief/DM00071938.pdf, Core="ARM Cortex-M3", D/A Converter="2x12-bit (2 Channel)", DatasheetVersion="Rev. 9", FLASH Size (Prog) (kB)=1024, Internal RAM Size (kB)=128, Mounting Technology="Surface Mount", PackageDescription="100-Pin Low Profile Quad Flat Package, 14 x 14 mm Body, 0.5 mm Pitch", PackageReference=LQFP100, PackageVersion="Rev. 1, 06/2013", Packing=Tray, PartNumber=STM32F207VGT7
U2: "No Description Available", Built_By=EMA_Jessica, Copyright="Copyright (C) 2018 Accelerated Designs. All rights reserved", Manufacturer_Part_Number=DSC1101CI5-020.0000T, RefDes=RefDes, SourceLibrary=Microchip_2019-08-23_23, Type=DEV, Vendor=Microchip
U3: "4.5V to 60V, 250mA Current-Limiter with OV, UV, and Reverse Protection", ComponentLink1Description=Datasheet, ComponentLink1URL=https://datasheets.maximintegrated.com/en/ds/MAX17612A-MAX17612C.pdf
U4: library part CMP-0315-00073-2, "3.3 V CAN Transceiver, 17 mA, -40 to 85 degC, 8-pin SOIC (D), Green (RoHS & no Sb/Br)", Drivers Per Package=1, Manufacturer="Texas Instruments", Rating=Catalog, Supply Voltage(s)(V)=3.3, Code_JEDEC=MS-012AA, ComponentLink1Description=Datasheet, ComponentLink1URL=http://www.ti.com/general/docs/lit/getliterature.tsp?genericPartNumber=SN65HVD232&fileType=pdf, DatasheetVersion=SLOS346K, Eco-Plan="Green (RoHS & no Sb/Br)", ICC(Max)(mA)=17, Isolated=No, Mounting Technology="Surface Mount", PackageDescription="8-Pin Plastic Small Outline Integrated Circuit, 4.9 x 3.9 mm, Pitch 1.27 mm Pitch", PackageReference=D0008A, PackageVersion="revM, Jun-2011", PartNumber=SN65HVD232D, Receivers Per Package=1, SubFamily=CAN, Transient Pulse Protection(V)="-25 to 25"
U5: library part CMP-04918-000056-1, "IC REG BUCK ADJ 1A TSOT23-6", Manufacturer="Texas Instruments", Max Junction Temp=+125°C, Max Supply Voltage=40V, Min Supply Voltage=4V, Output Current=1A, Package=DDC0006A, Switching Frequency=700kHz, Temperature="-40°C to +125°C", Temperature Range Low=-40°C, Automotive=No, Category=IC, ComponentLink2Description=Datasheet, ComponentLink2URL=https://www.ti.com/lit/ds/symlink/lmr14010a.pdf, Device Class L1="Integrated Circuits (ICs)", Device Class L2="Power Management ICs", Device Class L3="Voltage Regulators - Switching", Digikey Description="IC REG BUCK ADJ 1A TSOT23-6", Height=1.1mm, Ipc Land Pattern Name=SOT95P280X110-6, Lead Free=Yes, Manufacturer Part Number=LMR14010ADDCR, Max Duty Cycle=96%, Mouser Description="4-V to 40-V, 1-A Step-Down Converter With High Efficiency Eco-Mode 6-SOT-23-THIN -40 to 125", Number Of Outputs=1, Octopart=https://octopart.com/lmr14010addcr-texas+instruments-90753290, Output Type=AdjustableProgrammable, RoHS=TRUE, Standoff Height=0mm, Switching Topology=Buck, Temperature Range High=+125°C
U7: "Isolated CAN Transceiver, -55 to 105 degC, 16-pin SOIC (DW), Green (RoHS & no Sb/Br)", Drivers Per Package=1, Manufacturer="Texas Instruments", Rating=Catalog, Code_JEDEC=MS-013-AA, ComponentLink1Description=Datasheet, ComponentLink1URL=http://www.ti.com/general/docs/lit/getliterature.tsp?genericPartNumber=ISO1050&fileType=pdf, ComponentLink2Description="Package Specification", ComponentLink2URL=http://www.ti.com/litv/pdf/msoi003g, DatasheetVersion=SLLS983E, Eco-Plan="Green (RoHS & no Sb/Br)", Isolated=Yes, Mounting Technology="Surface Mount", PackageDescription="16-Pin Small Outline Integrated Circuit, 10.3 x 7.5 mm, Pitch 1.27 mm Pitch", PackageReference=DW00016B, PackageVersion="revG, Jan-2011", PartNumber=ISO1050DWR, SubFamily=CAN
D2 D3: ComponentLink1Description=Datasheet, ComponentLink1URL=https://www.onsemi.cn/PowerSolutions/document/NUP2105L-D.PDF, ComponentLink2Description=LCSC, ComponentLink2URL=https://lcsc.com/product-detail/TVS_ON-Semiconductor-NUP2105LT1G_C14486.html, ComponentLink3Description=Digikey, ComponentLink3URL=https://www.digikey.com.au/product-detail/en/on-semiconductor/SZNUP2105LT1G/SZNUP2105LT1GOSCT-ND/3487669

## Via types
v1: diameter 0.55, hole 0.279, Top Layer to Bottom Layer, 100 vias
v2: diameter 1.1, hole 0.56, Top Layer to Bottom Layer, 3 vias
v3: diameter 0.508, hole 0.279, Top Layer to Bottom Layer, 3 vias
v4: diameter 1.092, hole 0.559, Top Layer to Bottom Layer, 2 vias

## Nets (pads, with @x,y where several pads share a name; then routed paths per layer and width w, separated by ;. In a path a pad name is that pad's centre, name@x,y a point inside that pad or via, vN(x,y) a via of type N, cw(c..) or ccw(c..) an arc to the next point about the centre after c; other vN are vias at no path point)
3V3: C1.2 C2.2 C3.2 C4.2 C5.2 C6.1 C8.2 C9.2 C10.2 C15.1 C19.2 C22.2 C23.2 C24.2 J7.1 J11.1 J13.1 J16.2 L1.2 R2.2 R3.2 R4.2 R27.2 R28.2 R30.2 R31.2 R32.2 R33.2 R34.2 SD1.4 U1.6 U1.11 U1.19 U1.22 U1.28 U1.50 U1.75 U1.100 U2.1 U2.6 U4.3 U7.1 | length 275.5
  Top Layer w0.254: R2.2@-58.611,51.82 -58.484,51.82 -57.691,51.026 -56.531,51.026 C3.2@-55.738,50.233 ; C3.2@-55.611,50.233 C3.2@-55.738,50.233 ; v1(-55.579,49.187) -55.579,50.074 C3.2@-55.738,50.233 ; U1.50@-54.861,36.076 -55.29,36.076 -55.311,36.055 C4.2@-55.311,33.62 -55.418,33.726 -58.782,33.726 -59.411,34.355 -59.411,44.726 -58.284,45.853 -57.788,45.853 -56.573,47.067 -54.87,47.067 U1.28@-54.861,47.076 ; C5.2@-53.398,51.826 C5.2@-53.398,51.699 ; U1.22@-51.811,49.626 -51.82,49.635 -51.82,50.797 -52.028,51.005 -52.703,51.005 C5.2@-53.398,51.699 ; C10.2@-50.83,12.326 -50.83,12.453 -47.411,15.873 -47.411,24.226 ; U1.19@-50.311,49.626 -50.302,49.635 -50.302,50.815 -50.113,51.005 -49.512,51.005 -48.818,51.699 C24.2@-48.818,51.826 -48.818,54.726 ; U1.11@-46.311,49.626 -46.311,47.354 -46.162,47.205 -45.132,47.205 -43.811,48.526 U1.6@-43.811,49.626 -43.802,49.635 -43.802,50.869 C6.1@-42.638,52.033 ; R3.2@-45.911,26.544 R4.2@-47.411,26.544 -47.411,24.226 ; v1(-45.811,25.326) -46.311,25.326 -47.411,24.226 ; U2.6@-44.761,52.026 -44.754,52.033 C6.1@-42.638,52.033 ; U2.1@-44.761,53.626 -44.711,53.676 -44.711,54.726 ; U2.6@-44.661,52.026 U2.1@-44.661,53.626 ; v1(-43.311,25.326) -43.254,25.383 -43.064,25.383 J7.1@-41.091,27.356 ; J13.1@-42.211,69.226 -42.211,69.384 -40.178,71.417 -40.178,74.468 -38.811,75.835 ; -42.011,9.326 SD1.4@-42.011,13.726 ; U1.75@-41.311,34.526 -41.311,33.526 -40.811,33.026 C1.2@-40.811,32.226 v1@-40.811,29.935 ; U1.100@-39.761,48.076 -39.761,49.034 -40.63,49.903 -40.63,51.779 -40.884,52.033 C2.2@-41.011,52.033 C6.1@-42.511,52.033 C6.1@-42.638,52.033 ; v1(-39.654,54.726) -44.711,54.726 ; C15.1@-38.818,78.526 -38.818,78.572 -38.564,78.826 -35.011,78.826 ; C15.1@-38.811,78.572 -38.811,75.835 ; -38.259,10.278 -38.195,10.278 v1(-37.651,9.734) ; v1(-37.73,54.722) -37.726,54.726 -36.611,54.726 ; U4.3@-37.399,75.835 -38.811,75.835 ; -36.611,55.39 -33.707,55.39 -32.934,54.616 -32.934,54.077 J16.2@-32.68,53.823 -32.68,53.569 -31.594,52.484 -31.594,49.907 -31.838,49.663 -31.973,49.663 -32.586,49.05 C23.2@-32.586,48.923 -32.586,46.944 -32.413,46.771 U7.1@-32.361,46.771 ; -33.961,30.876 -33.807,30.876 -32.311,32.372 J11.1@-32.311,32.626 ; C3.2@-55.738,50.233 -55.484,50.487 -54.737,50.487 -53.779,51.445 -53.652,51.445 C5.2@-53.398,51.699 ; C5.2@-53.398,51.699 -53.211,51.886 -53.211,53.126 -51.611,54.726 -48.818,54.726 ; -48.818,54.726 -44.711,54.726
  Top Layer w0.5: C10.2@-50.83,12.326 C9.2@-50.83,10.826 C8.2@-50.83,9.326 -42.011,9.326 -39.211,9.326 -38.259,10.278 -32.611,15.926 -32.611,29.526 -33.961,30.876 -35.411,32.326 v4(-35.411,40.326) ; R28.2@-39.625,84.562 -39.644,84.581 -39.644,86.466 L1.2@-39.936,86.759 ; v4(-35.411,45.226) -35.411,46.693 -36.611,47.893 -36.611,54.726 -36.611,55.39 -36.611,57.226 -36.611,70.226 -35.011,71.826 -35.011,78.826 -35.011,86.087 -35.69,86.766 -37.295,86.766 C22.2@-37.303,86.759 L1.2@-39.936,86.759 ; C19.2@-33.988,86.773 -33.238,86.773 -31.937,88.074 -31.937,91.166 -32.308,91.538 -32.439,91.669 R27.2@-32.566,91.669 ; L1.2@-39.936,86.759 -41.886,86.759 L1.2@-42.244,87.116 -40.294,87.116 L1.2@-39.936,86.759
  Bottom Layer w0.254: v1(-56.605,47.036) -56.605,48.696 -56.171,49.13 -55.636,49.13 v1(-55.579,49.187) ; v1(-45.811,25.326) v1(-43.311,25.326) ; J7.1@-41.091,27.356 -42.024,28.289 -42.024,28.951 -41.11,29.864 -40.933,29.864 v1(-40.876,29.921) ; v1(-39.654,54.726) -39.651,54.724 -37.733,54.724 v1(-37.73,54.722) ; R34.2@-39.337,9.731 -39.334,9.734 v1(-37.651,9.734)
  Bottom Layer w0.5: R30.2@-45.441,9.731 R31.2@-43.906,9.731 R32.2@-42.388,9.731 R33.2@-40.862,9.731 R34.2@-39.337,9.731 ; v4(-35.411,40.326) v4(-35.411,45.226)
"5V INV A": C20_B.2 IC2_B.16 J1.1 J2.1 | length 72
  Top Layer w0.254: J1.1@-19.111,96.686 J1.1@-19.111,101.026 -19.111,103.095 -17.346,104.86 -0.881,104.86 -0.571,104.55 -0.571,95.969 -4.324,92.216 -4.324,89.46 -3.432,88.568 -3.432,87.426 -2.045,86.04 -2.045,79.167 -3.019,78.194 -11.644,78.194 v1@-12.63,79.179 ; v1@-12.63,79.282 IC2_B.16@-12.63,80.673 ; J2.1@-7.828,87.511 J2.1@-3.499,87.511
  Bottom Layer w0.254: v1@-12.659,79.282 -12.655,79.282 -12.603,79.335 -12.603,79.355 -12.478,79.479 C20_B.2@-12.478,80.368
  other v1: -12.659,79.198
"5V INV B": C13.2 C14.2 C20_A.2 IC2_A.16 J5.1 J6.1 J12.1 U7.16 | length 108.5
  Top Layer w0.254: U7.16@-23.061,46.771 -23.061,48.702 C13.2@-23.039,48.725 -23.039,50.226 C14.2@-23.055,50.242 -23.055,50.369 -15.854,57.57 J12.1@-6.941,57.57 ; IC2_A.16@-21.36,28.449 -21.273,28.537 -21.273,29.872 -21.273,30.161 -19.116,32.317 -6.002,32.317 -4.311,30.626 ; J6.1@-7.74,29.726 J6.1@-3.411,29.726 ; J12.1@-7.73,57.653 -6.941,57.653 J12.1@-3.401,57.653 -3.158,57.41 -2.595,57.41 -1.911,56.726 -1.911,50.426 -2.293,50.044 -3.493,50.044 -4.511,49.026 -4.511,46.426 -3.311,45.226 -2.211,45.226 -1.885,44.901 -1.885,36.575 -2.034,36.426 -3.911,36.426 -4.311,36.026 -4.311,30.626 ; J5.1@-5.211,11.536 J5.1@-5.211,15.876 -5.211,18.729 -3.802,20.138 -2.661,20.138 -1.971,20.828 -1.971,28.21 -3.411,29.649 J6.1@-3.411,29.726 ; -4.311,30.626 J6.1@-3.411,29.726
  Bottom Layer w0.254: C20_A.2@-21.519,28.826 -21.3,29.045 v1(-21.3,29.872)
12V: C12.2 J10.1 R9.2 R10.2 R11.2 R12.2 R13.2 U3.1 | length 45.3
  Top Layer w0.254: R12.2@-58.211,96.213 -58.165,96.213 R12.2@-57.911,96.467
  Top Layer w0.5: R11.2@-55.469,83.168 -55.911,82.726 -55.911,82.026 ; R11.2@-55.211,83.426 R9.2@-51.411,83.426 ; -54.711,94.226 -55.211,94.726 C12.2@-55.211,96.133 -55.251,96.173 -58.171,96.173 R12.2@-58.211,96.213 -58.338,96.213 -59.211,95.34 -59.211,85.326 -55.911,82.026 ; J10.1@-52.282,69.326 J10.1@-56.611,69.326 -57.877,70.592 -57.877,75.851 -57.053,76.675 -56.728,76.675 -55.904,77.499 -55.904,79.819 -55.911,79.826 -55.911,82.026